# Altium PCB mainboard.PcbDoc (part 3 of 7)
Units mm, origin at the board's own origin, x right, y up, seen from the top; angles counter-clockwise.
Board outline 298.75 x 332.5 mm, 4 copper layers (Top, Ground, Power, Bottom), stack 0.844 mm thick; 349 components, 403 nets, 3466 pads, 640 vias.
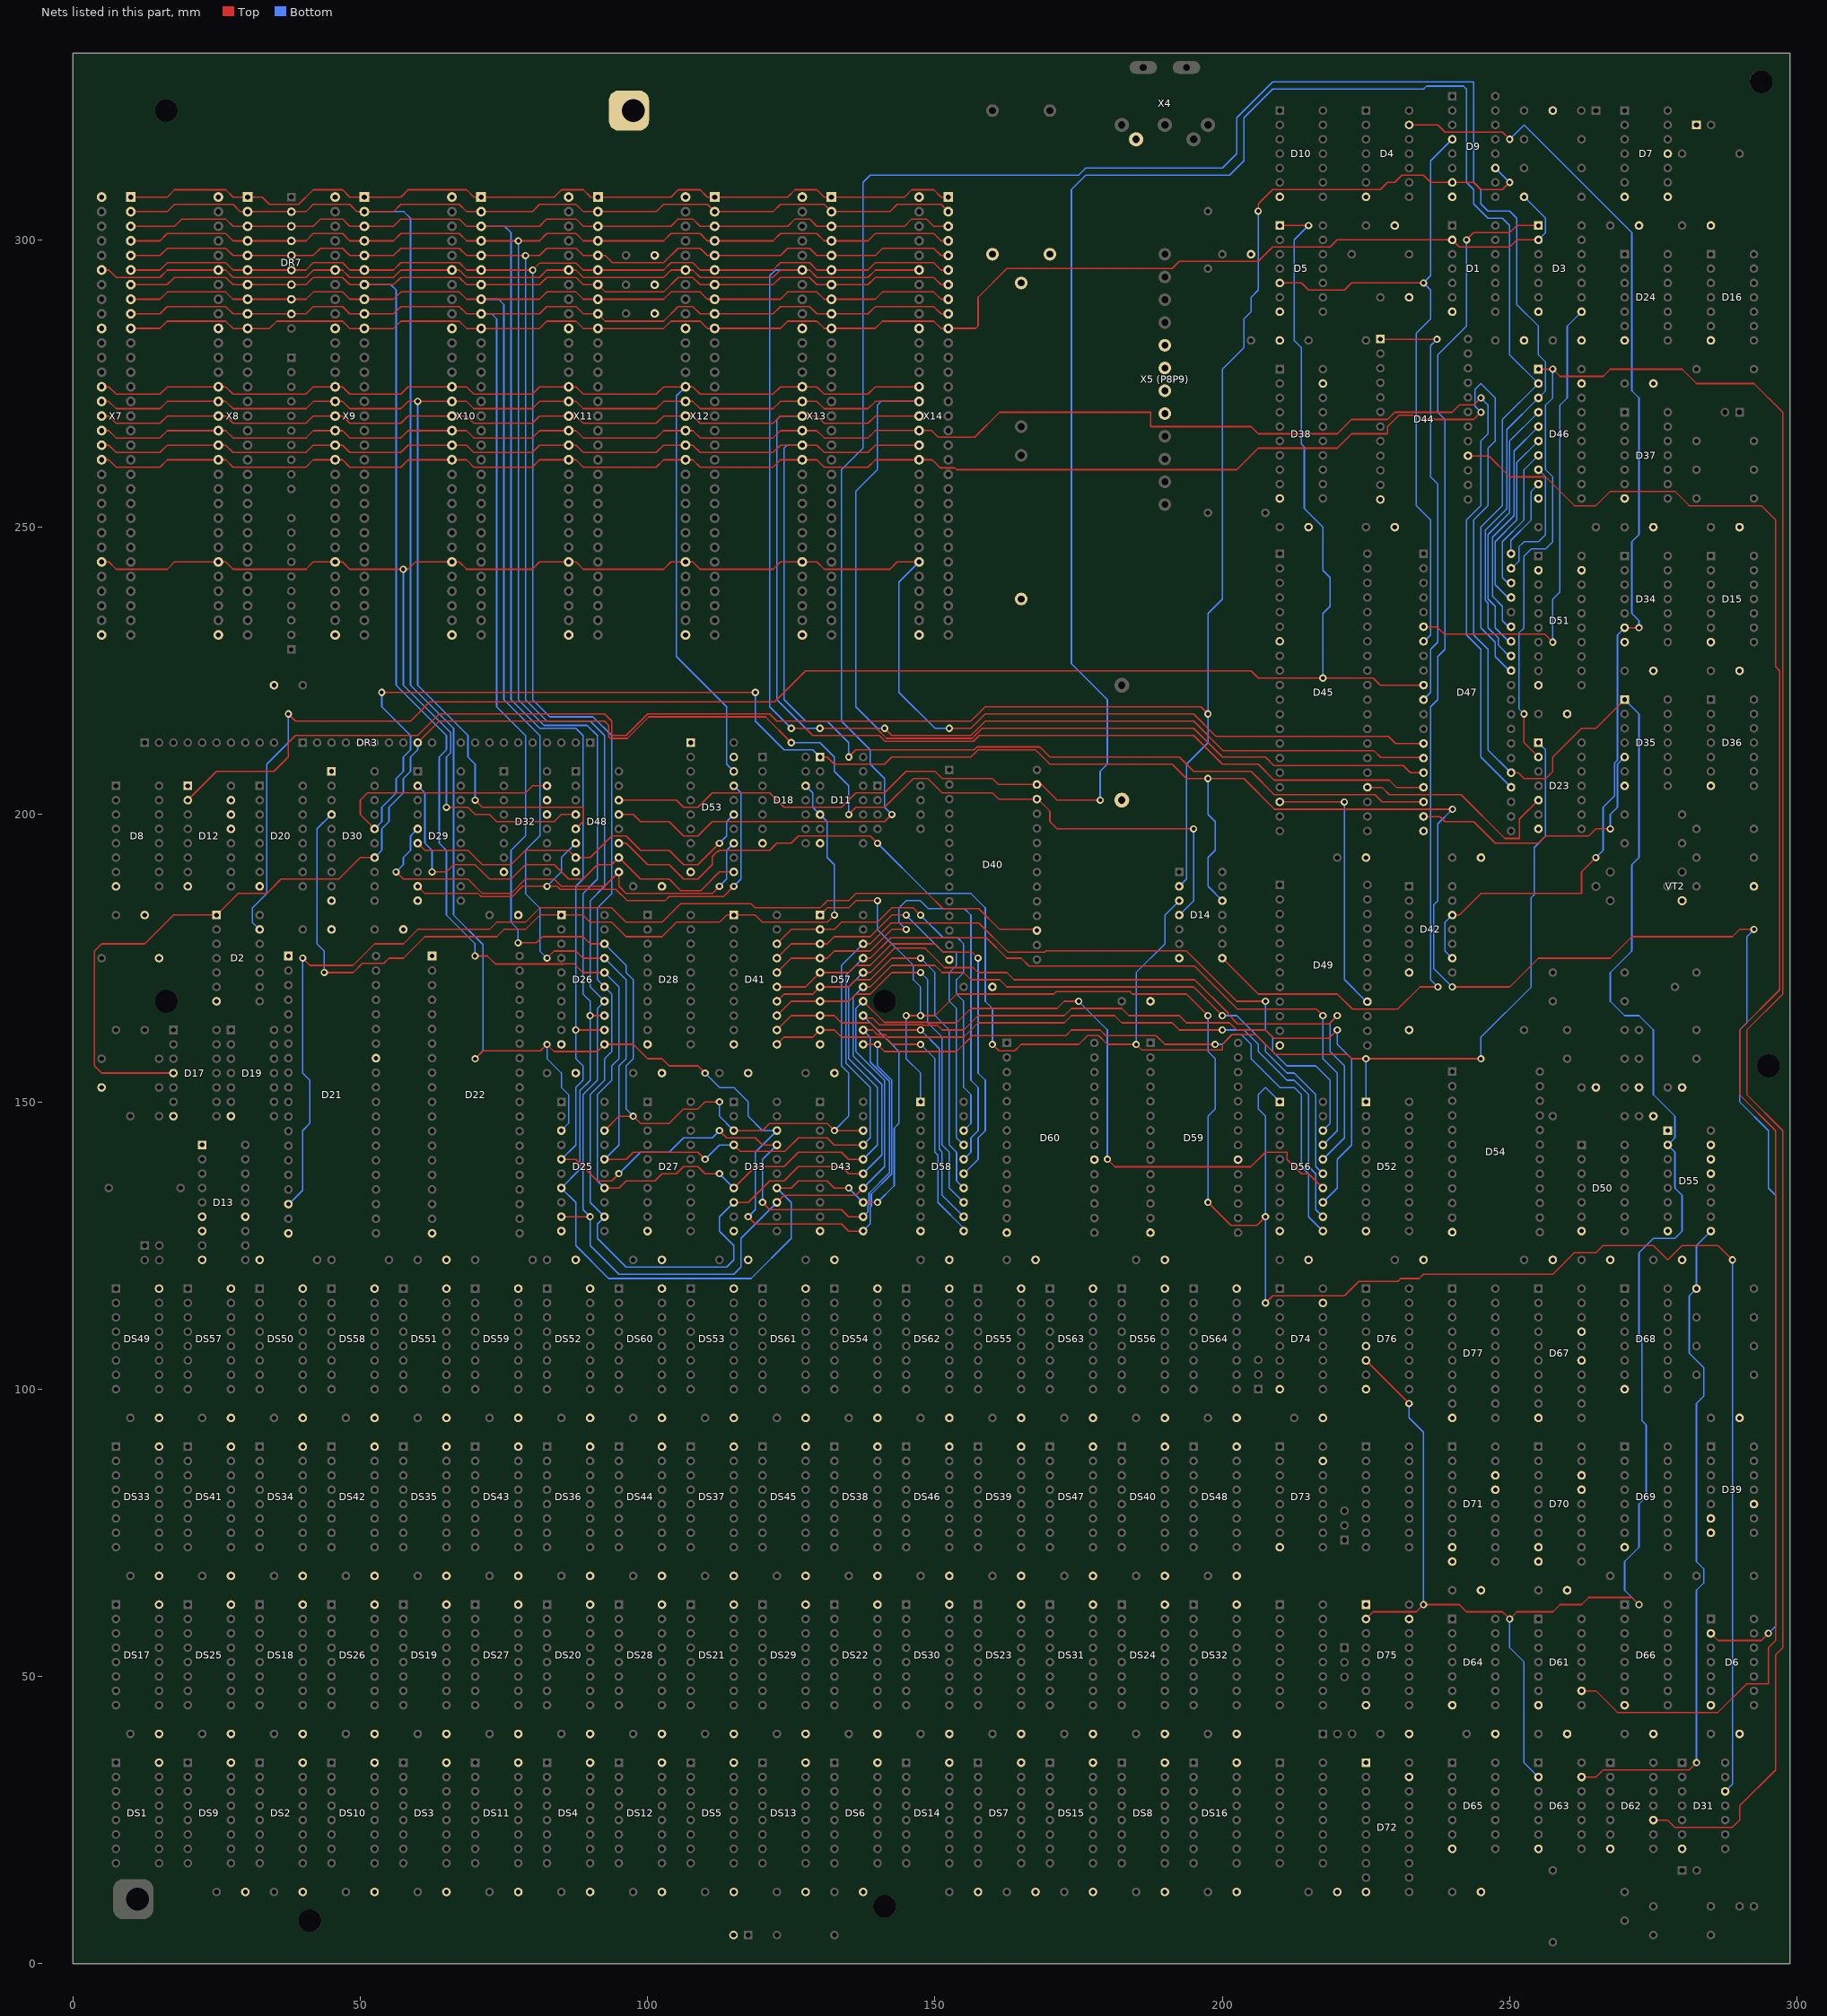
[diagram p5: the nets of this part, all layers, seen from the top]

## Via types
v1: diameter 1.27, hole 0.711, Top to Bottom, tented both sides, 640 vias

## Nets (pads, with @x,y where several pads share a name; then routed paths per layer and width w, separated by ;. In a path a pad name is that pad's centre, name@x,y a point inside that pad or via, vN(x,y) a via of type N, cw(c..) or ccw(c..) an arc to the next point about the centre after c; other vN are vias at no path point) (continued)
D0: D25.18 D26.18 D33.3 D43.18 D56.18 D57.18 DR7.9 X7.9 X8.9 X9.9 X10.9 X11.9 X12.9 X13.9 X14.9 | length 511.3
  Top w0.254: X7.9@10.078,287.13 15.151,287.13 16.416,288.395 26.585,288.395 27.855,287.125 40.555,287.125 41.825,288.395 46.905,288.395 48.175,287.125 55.795,287.125 57.065,288.395 67.225,288.395 68.495,287.125 81.195,287.125 82.465,288.395 87.545,288.395 88.815,287.125 91.355,287.125 92.625,285.855 102.785,285.855 105.325,288.395 107.865,288.395 109.131,287.13 X12.9@111.678,287.13 121.84,287.13 123.105,288.395 128.185,288.395 129.455,287.125 138.345,287.125 139.615,288.395 149.775,288.395 151.045,287.125 X14.9@152.313,287.125 ; v1(77.47,177.673) 80.645,177.673 81.722,178.75 88.75,178.75 90,177.5 D26.18@92.498,177.5 ; D25.18@92.498,145 94.998,147.5 v1(97.498,147.5) 98.748,146.25 103.748,146.25 106.248,148.75 108.748,148.75 109.998,150 v1(112.498,150) ; D33.3@114.998,145 119.998,145 121.248,146.25 131.248,146.25 v1(132.498,145) D43.18@137.498,145 ; D57.18@137.498,177.5 138.748,177.5 142.35,181.102 157.646,181.102 162.726,176.022 169.037,176.022 169.291,176.276 193.722,176.276 202.498,167.5 v1(207.498,167.5)
  Bottom w0.254: X10.9@71.038,287.13 72.868,287.13 73.748,286.25 73.748,218.75 78.748,213.75 78.748,196.25 76.248,193.75 76.248,181.25 77.498,180 77.47,179.972 v1(77.47,177.673) ; D26.18@92.498,177.5 96.248,173.75 96.248,172.5 97.498,171.25 97.498,157.5 96.248,156.25 96.248,148.75 v1(97.498,147.5) ; v1(112.498,150) 112.498,147.5 D33.3@114.998,145 ; v1(132.498,145) 134.998,147.5 134.998,155 133.748,156.25 133.748,173.75 D57.18@137.498,177.5 ; v1(207.498,167.5) 207.498,162.5 208.748,161.25 208.748,158.75 211.248,156.25 216.248,156.25 218.748,153.75 218.748,146.25 D56.18@217.498,145
D1: D25.16 D26.17 D33.4 D43.17 D56.17 D57.17 DR7.8 X7.8 X8.8 X9.8 X10.8 X11.8 X12.8 X13.8 X14.8 | length 518.7
  Top w0.254: X7.8@10.078,289.67 15.16,289.67 16.425,290.935 26.585,290.935 27.851,289.67 X8.8@30.398,289.67 38.015,289.67 38.02,289.665 40.555,289.665 41.825,290.935 46.905,290.935 48.175,289.665 55.795,289.665 57.065,290.935 67.225,290.935 68.495,289.665 81.195,289.665 82.465,290.935 87.545,290.935 88.815,289.665 102.785,289.665 104.055,290.935 109.135,290.935 110.405,289.665 123.105,289.665 124.375,290.935 129.455,290.935 130.725,289.665 139.615,289.665 140.885,290.935 149.775,290.935 151.045,289.665 X14.8@152.313,289.665 ; v1(82.498,175) 83.748,176.25 87.498,176.25 88.748,175 D26.17@92.498,175 ; D25.16@92.498,140 96.248,140 97.498,141.25 108.748,141.25 v1(109.998,140) ; D33.4@114.998,142.5 116.129,141.369 123.867,141.369 126.248,143.75 131.248,143.75 132.498,142.5 D43.17@137.498,142.5 ; D57.17@137.498,175 138.748,175 142.31,178.562 158.936,178.562 162.498,175 164.998,175 166.389,173.609 195.139,173.609 202.632,166.116 216.382,166.116 v1(217.498,165)
  Bottom w0.254: X10.8@71.038,289.67 74.078,289.67 74.998,288.75 74.998,220 81.248,213.75 81.248,196.25 78.748,193.75 78.748,186.25 81.248,183.75 81.248,176.25 v1(82.498,175) ; D25.16@92.498,140 95,142.502 95,156.25 96.25,157.5 96.25,171.25 D26.17@92.5,175 ; v1(109.998,140) 112.498,142.5 D33.4@114.998,142.5 ; D43.17@137.498,142.5 138.748,143.75 138.748,152.5 134.49,156.758 134.49,171.992 D57.17@137.498,175 ; D56.17@217.498,142.5 219.998,145 219.998,155 217.498,157.5 v1(217.498,165)
D2: D25.14 D26.16 D33.7 D43.16 D56.16 D57.16 DR7.7 X7.7 X8.7 X9.7 X10.7 X11.7 X12.7 X13.7 X14.7 | length 549.9
  Top w0.254: X7.7@10.078,292.21 16.421,292.21 17.686,293.475 26.585,293.475 27.855,292.205 40.555,292.205 41.825,293.475 46.905,293.475 48.175,292.205 55.795,292.205 57.065,293.475 67.225,293.475 68.495,292.205 81.195,292.205 82.465,293.475 87.545,293.475 88.815,292.205 91.353,292.205 X11.7@91.358,292.21 92.633,290.935 102.785,290.935 105.325,293.475 107.865,293.475 109.135,292.205 121.835,292.205 123.105,293.475 128.185,293.475 129.455,292.205 138.345,292.205 139.615,293.475 149.775,293.475 151.045,292.205 X14.7@152.313,292.205 ; v1(69.977,175.387) 72.113,175.387 73.529,173.971 85.424,173.971 85.444,173.99 87.26,173.99 88.75,172.5 D26.16@92.498,172.5 ; D25.14@92.498,135 95,135 96.25,136.25 101.25,136.25 102.5,137.5 105,137.5 106.25,138.75 108.75,138.75 110,137.5 v1(112.5,137.5) ; D33.7@114.998,135 118.748,138.75 123.748,138.75 126.248,141.25 133.748,141.25 134.998,140 D43.16@137.498,140 ; D57.16@137.498,172.5 138.748,172.5 142.498,176.25 142.5,176.25 143.008,176.758 148.242,176.758 148.748,176.252 148.748,176.25 151.643,173.355 156.643,173.355 157.498,172.5 162.498,172.5 163.748,171.25 195.185,171.25 201.014,165.421 201.014,165.234 202.672,163.576 218.574,163.576 v1(219.998,165)
  Bottom w0.254: X9.7@50.718,292.21 55.288,292.21 56.248,291.25 56.248,222.5 64.998,213.75 64.998,211.25 63.748,210 63.748,195 64.998,193.75 64.998,182.5 69.998,177.5 69.977,177.479 v1(69.977,175.387) ; D25.14@92.498,135 91.248,136.25 91.248,151.25 93.748,153.75 93.748,156.25 94.998,157.5 94.998,170 D26.16@92.498,172.5 ; v1(112.5,137.5) D33.7@114.998,135.002 ; D43.16@137.498,140 139.998,142.5 139.998,152.5 134.998,157.5 134.998,170 D57.16@137.498,172.5 ; D56.16@217.498,140 221.248,143.75 221.248,156.25 218.748,158.75 218.748,163.75 v1(219.998,165)
D3: D25.12 D26.15 D33.8 D43.15 D56.15 D57.15 DR7.6 X7.6 X8.6 X9.6 X10.6 X11.6 X12.6 X13.6 X14.6 | length 538.9
  Top w0.254: X7.6@10.078,294.75 15.16,294.75 16.425,296.015 26.585,296.015 27.855,294.745 40.555,294.745 41.825,296.015 46.905,296.015 48.175,294.745 X9.6@50.713,294.745 ; X9.6@50.718,294.75 55.791,294.75 57.056,296.015 67.225,296.015 68.495,294.745 v1(79.998,294.746) ; v1(79.998,294.746) 81.233,295.981 87.511,295.981 88.747,294.745 102.785,294.745 104.055,296.015 107.865,296.015 109.135,294.745 121.835,294.745 123.105,296.015 128.185,296.015 129.455,294.745 138.345,294.745 139.615,296.015 149.775,296.015 151.045,294.745 X14.6@152.313,294.745 ; D33.8@114.998,132.5 117.498,132.5 121.248,136.25 123.748,136.25 126.248,138.75 133.748,138.75 134.998,137.5 D43.15@137.498,137.5 ; D57.15@137.498,170 138.75,170 142.5,173.75 150,173.75 151.25,172.5 155,172.5 156.25,171.25 161.248,171.25 162.498,170 194.998,170 v1(199.998,165)
  Bottom w0.254: v1@79.998,295 v1(79.998,294.746) 79.998,220 83.006,216.992 90.506,216.992 93.748,213.75 93.748,186.25 91.248,183.75 91.248,171.25 D26.15@92.498,170 93.748,168.75 93.748,158.75 92.498,157.5 92.498,153.75 89.998,151.25 89.998,132.5 D25.12@92.498,130 91.248,128.75 91.248,126.25 96.248,121.25 113.748,121.25 114.998,122.5 114.998,125 112.498,127.5 112.498,130 D33.8@114.998,132.5 ; D43.15@137.498,137.5 140.74,140.742 140.74,153.008 135.74,158.008 135.74,168.242 D57.15@137.498,170 ; v1(199.998,165) 202.498,165 207.498,160 207.498,158.75 211.248,155 212.498,155 216.248,151.25 216.248,138.75 D56.15@217.498,137.5
D4: D25.9 D26.14 D33.13 D43.14 D56.14 D57.14 DR7.5 X7.5 X8.5 X9.5 X10.5 X11.5 X12.5 X13.5 X14.5 | length 550.3
  Top w0.254: X7.5@10.078,297.29 15.16,297.29 16.425,298.555 26.585,298.555 27.855,297.285 41.825,297.285 43.095,298.555 46.905,298.555 48.175,297.285 55.795,297.285 57.065,298.555 67.225,298.555 68.495,297.285 81.195,297.285 82.465,298.555 87.545,298.555 88.815,297.285 92.625,297.285 93.895,296.015 102.785,296.015 105.325,298.555 109.135,298.555 110.405,297.285 123.105,297.285 124.375,298.555 128.185,298.555 129.455,297.285 139.615,297.285 140.885,298.555 149.775,298.555 151.045,297.285 X14.5@152.313,297.285 ; D25.9@84.998,130 v1(89.998,130) ; D33.13@122.498,132.5 123.748,133.75 136.248,133.75 D43.14@137.498,135 ; D57.14@137.498,167.5 D57.14@137.498,167.5 141.179,163.821 148.679,163.821 148.75,163.75 153.748,163.75 156.248,166.25 171.248,166.25 172.498,167.5 v1(174.998,167.5) ; v1(179.998,140) 181.314,138.684 204.934,138.684 207.5,141.25 211.25,141.25 211.25,140 213.75,137.5 214.998,137.5 D56.14@217.498,135
  Bottom w0.254: v1@78.748,297.5 v1(78.748,297.271) 78.75,297.269 78.75,219.998 82.498,216.25 89.998,216.25 92.498,213.75 92.498,187.5 89.998,185 89.998,170 D26.14@92.498,167.5 91.248,166.25 91.248,153.75 88.748,151.25 88.748,131.25 v1(89.998,130) 89.998,125 94.998,120 114.998,120 116.248,121.25 116.248,126.25 D33.13@122.498,132.5 ; D43.14@137.498,135 141.248,138.75 141.248,153.75 136.248,158.75 136.248,166.25 D57.14@137.498,167.5 ; v1(174.998,167.5) 179.998,162.5 v1(179.998,140)
D5: D25.7 D26.13 D33.14 D43.13 D56.13 D57.13 DR7.4 X7.4 X8.4 X9.4 X10.4 X11.4 X12.4 X13.4 X14.4 | length 571.6
  Top w0.254: X7.4@10.078,299.83 15.151,299.83 16.416,301.095 26.585,301.095 27.855,299.825 40.555,299.825 41.825,301.095 46.905,301.095 48.175,299.825 X9.4@50.713,299.825 ; X9.4@50.718,299.83 55.8,299.83 57.065,301.095 67.225,301.095 68.495,299.825 X10.4@71.033,299.825 ; X10.4@71.038,299.83 77.49,299.83 77.495,299.825 81.195,299.825 82.465,301.095 87.545,301.095 88.815,299.825 102.785,299.825 104.055,301.095 109.135,301.095 110.405,299.825 121.835,299.825 123.105,301.095 129.455,301.095 130.725,299.825 138.345,299.825 139.615,301.095 149.775,301.095 151.045,299.825 X14.4@152.313,299.825 ; v1(89.998,165) D26.13@92.498,165 ; D33.14@122.498,135 124.998,135 126.248,136.25 131.248,136.25 132.498,135 v1(134.998,135) ; D43.13@137.498,132.5 v1(140,132.5) ; D57.13@137.498,165 D57.13@137.498,165 137.906,164.594 139.156,164.594 140.336,163.414 147.879,163.414 147.95,163.344 150.404,163.344 151.248,162.5 154.998,162.5 157.498,165 172.498,165 173.748,166.25 182.498,166.25 183.748,165 192.5,165 193.75,163.75 201.248,163.75 202.498,162.5 207.498,162.5 208.962,161.036 218.534,161.036 v1(219.998,162.5)
  Bottom w0.254: v1(77.498,299.822) v1@77.498,300 ; v1@77.5,299.82 77.5,219.998 81.99,215.508 89.49,215.508 91.248,213.75 91.248,188.75 88.748,186.25 88.748,168.75 89.998,167.5 v1(89.998,165) 89.998,153.726 88.24,151.968 88.24,138.242 D25.7@84.998,135 87.498,132.5 87.498,125 93.24,119.258 118.006,119.258 124.998,126.25 124.998,132.5 D33.14@122.498,135 ; v1(134.998,135) D43.13@137.498,132.5 ; D57.13@137.498,165 141.584,160.914 141.627,160.914 142.162,160.379 142.162,160.338 143.75,158.75 143.75,146.25 142.906,145.406 142.906,135.406 v1(140,132.5) ; D56.13@217.498,132.5 219.998,135 219.998,140 222.498,142.5 222.498,157.5 219.998,160 v1(219.998,162.5)
D6: D25.5 D26.12 D33.17 D43.12 D56.12 D57.12 DR7.3 X7.3 X8.3 X9.3 X10.3 X11.3 X12.3 X13.3 X14.3 | length 550.8
  Top w0.254: X7.3@10.078,302.37 17.7,302.37 18.965,303.635 26.585,303.635 27.855,302.365 41.825,302.365 43.095,303.635 46.905,303.635 48.175,302.365 55.795,302.365 57.065,303.635 67.225,303.635 68.495,302.365 81.195,302.365 82.465,303.635 87.545,303.635 88.815,302.365 104.055,302.365 105.325,303.635 107.865,303.635 109.135,302.365 124.375,302.365 125.645,303.635 128.185,303.635 129.455,302.365 144.695,302.365 145.965,303.635 148.505,303.635 149.775,302.365 X14.3@152.313,302.365 ; D25.5@84.998,140 87.5,140 91.25,136.25 93.75,136.25 v1(95,137.5) ; v1(87.498,162.5) D26.12@92.498,162.5 ; v1(112.5,145) 113.75,143.75 118.75,143.75 120,142.5 D33.17@122.498,142.5 ; v1(120,132.5) 121.25,131.25 133.75,131.25 135,130 D43.12@137.498,130 ; D57.12@137.498,162.5 139.156,162.5 140,161.656 141.418,161.656 141.825,161.25 154.998,161.25 157.498,163.75 172.498,163.75 173.748,165 181.248,165 182.498,163.75 191.25,163.75 192.5,162.5 v1(199.998,162.5)
  Bottom w0.254: X10.3@71.038,302.37 75.128,302.37 76.248,301.25 76.248,220 81.248,215 87.498,215 88.748,213.75 88.748,188.75 87.498,187.5 v1(87.498,162.5) 87.498,157.5 88.748,156.25 88.748,153.75 87.498,152.5 87.498,142.5 D25.5@84.998,140 ; v1(95,137.5) 98.75,141.25 103.75,141.25 106.25,143.75 111.25,143.75 v1(112.5,145) ; v1(120,132.5) 120,140 122.498,142.498 D33.17@122.498,142.5 ; D43.12@137.498,130 D43.12@137.498,130 138.344,130.844 138.344,131.89 138.527,132.074 138.527,134.102 142.094,137.668 142.094,153.582 138.75,156.925 138.75,161.25 D57.12@137.498,162.5 ; v1(199.998,162.5) 203.748,162.5 206.248,160 206.248,158.75 211.248,153.75 212.498,153.75 214.998,151.25 214.998,138.75 216.248,137.5 216.248,131.25 D56.12@217.498,130
D7: D25.3 D26.11 D33.18 D43.11 D56.11 D57.11 DR7.2 X7.2 X8.2 X9.2 X10.2 X11.2 X12.2 X13.2 X14.2 | length 574.3
  Top w0.254: X7.2@10.078,304.91 16.421,304.91 17.686,306.175 27.855,306.175 29.125,304.905 40.555,304.905 41.825,306.175 48.175,306.175 49.445,304.905 55.795,304.905 57.065,306.175 67.225,306.175 68.495,304.905 79.925,304.905 81.195,306.175 87.545,306.175 88.815,304.905 101.515,304.905 102.785,306.175 110.413,306.175 X12.2@111.678,304.91 121.84,304.91 123.105,306.175 130.725,306.175 131.991,304.91 X13.2@131.998,304.91 142.151,304.91 143.416,306.175 151.053,306.175 X14.2@152.318,304.91 ; v1(69.998,157.5) 71.375,158.877 81.375,158.877 v1(82.498,160) 83.748,158.75 91.248,158.75 D26.11@92.498,160 97.498,160 99.998,157.5 102.498,157.5 103.748,156.25 108.748,156.25 v1(109.998,155) ; v1(117.5,130) 118.75,128.75 133.75,128.75 135,127.5 D43.11@137.498,127.5 ; D57.11@137.498,160 v1(140,160) 141.25,158.75 153.748,158.75 156.542,161.544 172.792,161.544 173.748,162.5 178.748,162.5 179.704,161.544 188.454,161.544 189.998,160 v1(198.748,160)
  Bottom w0.254: X9.2@50.718,304.91 57.588,304.91 58.748,303.75 58.748,222.5 66.248,215 66.248,182.5 71.374,177.374 71.374,158.876 v1(69.998,157.5) ; v1(82.498,160) 82.498,157.5 84.998,155 84.998,152.5 86.248,151.25 86.248,146.25 D25.3@84.998,145 ; v1(109.998,155) 112.498,152.5 114.998,152.5 117.498,150 117.498,147.5 119.998,145 D33.18@122.498,145 122.498,144.998 118.75,141.25 118.75,131.25 v1(117.5,130) ; D43.11@137.498,127.524 138.75,128.776 138.75,131.721 138.934,131.905 138.934,133.934 142.5,137.5 142.5,153.75 140,156.25 v1(140,160) ; v1(198.748,160) 199.998,160 201.669,161.671 203.327,161.671 204.998,160 204.998,157.5 209.998,152.5 212.498,152.5 213.748,151.25 213.748,138.75 214.998,137.5 214.998,130 D56.11@217.498,127.5
D8: D41.18 D57.2 D58.18 | length 72.2
  Top w0.254: D41.18@122.498,177.5 124.998,180 D57.2@129.998,180 132.5,180 133.75,181.25 140,181.25 142.5,183.75 146.248,183.75 v1(147.498,182.5)
  Bottom w0.254: v1(147.498,182.5) 151.436,178.562 153.936,178.562 154.998,177.5 154.998,172.5 153.748,171.25 153.748,168.75 154.998,167.5 154.998,152.5 156.248,151.25 156.248,146.25 D58.18@154.998,145
D9: D41.17 D57.3 D58.17 | length 72.1
  Top w0.254: D41.17@122.498,175 124.998,177.5 D57.3@129.998,177.5 131.248,177.5 132.498,178.75 138.748,178.75 142.498,182.5 v1(144.998,182.5)
  Bottom w0.254: v1(144.998,182.5) 151.476,176.022 153.748,176.022 153.748,173.75 152.498,172.5 152.498,167.5 153.748,166.25 153.748,143.75 D58.17@154.998,142.5
D10: D41.16 D57.4 D58.16 | length 88
  Top w0.254: D41.16@122.498,172.5 124.998,175 D57.4@129.998,175 131.248,175 132.498,176.25 138.748,176.25 142.498,180 v1(144.998,180)
  Bottom w0.254: v1(144.998,180) 143.748,181.25 143.748,183.75 144.998,185 147.498,185 148.856,183.642 155.106,183.642 156.248,182.5 156.248,153.75 157.498,152.5 157.498,145 156.248,143.75 156.248,141.25 D58.16@154.998,140
D11: D41.15 D57.5 D58.15 | length 78.7
  Top w0.254: D41.15@122.498,170 127.498,170 D57.5@129.998,172.5 134.998,172.5 136.248,173.75 138.748,173.75 142.498,177.5 149.998,177.5 151.476,176.022 156.476,176.022 v1(157.498,175)
  Bottom w0.254: D58.15@154.998,137.5 157.498,140 157.498,143.75 158.748,145 158.748,153.75 157.498,155 v1(157.498,175)
D12: D41.14 D57.6 D58.14 | length 71.2
  Top w0.254: D41.14@122.498,167.5 123.748,168.75 128.748,168.75 D57.6@129.998,170 135,170 136.25,171.25 138.75,171.25 142.5,175 v1(147.5,175)
  Bottom w0.254: v1(147.5,175) 150,172.5 150,165 152.5,162.5 152.5,142.5 153.75,141.25 153.75,136.25 154.998,135.002 D58.14@154.998,135
D13: D41.13 D57.7 D58.13 | length 71.2
  Top w0.254: D41.13@122.498,165 124.998,167.5 D57.7@129.998,167.5 135,167.5 136.25,168.75 138.75,168.75 142.5,172.5 v1(147.5,172.5)
  Bottom w0.254: v1(147.5,172.5) 148.75,171.25 148.75,163.75 151.25,161.25 151.25,142.5 152.5,141.25 152.5,134.998 D58.13@154.998,132.5
D14: D41.12 D57.8 D58.12 | length 62.7
  Top w0.254: D41.12@122.498,162.5 124.998,165 D57.8@129.998,165 132.5,165 133.75,163.75 138.75,163.75 140,162.5 v1(147.5,162.5)
  Bottom w0.254: v1(147.5,162.5) 150.742,159.258 150.742,141.758 151.25,141.25 151.25,133.748 D58.12@154.998,130
D15: D41.11 D57.9 D58.11 | length 62.7
  Top w0.254: D41.11@122.498,160 123.748,161.25 128.748,161.25 D57.9@129.998,162.5 132.5,162.5 133.75,161.25 141.25,161.25 142.5,160 v1(147.5,160)
  Bottom w0.254: v1(147.5,160) 150,157.5 150,141.222 150.506,140.716 150.506,132.5 154.998,128.008 D58.11@154.998,127.5
DACK0/: D35.1 D47.25 D55.2 D63.2 D75.2 D76.6 X7.50 X8.50 X9.50 X10.50 X11.50 X12.50 X13.50 X14.50 | length 664.4
  Top w0.254: X7.50@4.998,261.73 6.261,261.73 7.535,260.455 15.155,260.455 16.425,261.725 26.585,261.725 27.855,260.455 40.555,260.455 41.825,261.725 46.905,261.725 48.175,260.455 57.065,260.455 58.335,261.725 68.495,261.725 69.765,260.455 79.925,260.455 81.195,261.725 87.545,261.725 88.815,260.455 101.515,260.455 102.785,261.725 107.865,261.725 109.135,260.455 121.835,260.455 123.105,261.725 129.455,261.725 130.725,260.455 138.345,260.455 139.62,261.73 X14.50@147.238,261.73 147.243,261.725 149.525,261.725 ; 149.52,261.73 149.525,261.725 ; D75.2@224.998,60 226.248,61.25 233.748,61.25 v1(234.998,62.5) 241.25,62.5 242.5,61.25 248.75,61.25 v1(250,60) 251.25,61.25 257.5,61.25 258.75,62.5 262.5,62.5 263.75,63.75 271.25,63.75 v1(272.5,62.5) ; D76.6@224.998,105 v1(232.498,97.5) ; v1(244.998,270) 243.748,268.75 234.998,268.75 234.256,269.492 230.74,269.492 228.748,267.5 228.748,266.25 222.498,266.25 219.998,263.75 206.248,263.75 202.498,260 153.75,260 153.431,260.319 150.931,260.319 149.525,261.725 ; D47.25@249.998,207.5 250.234,207.264 251.484,207.264 252.498,206.25 256.248,206.25 257.498,207.5 257.498,210 262.498,215 264.998,215 D35.1@269.998,220
  Bottom w0.254: v1(232.498,97.5) 232.498,95 234.998,92.5 v1(234.998,62.5) ; v1(244.998,270) 243.967,271.031 243.967,273.969 244.998,275 247.498,272.5 247.498,265 246.248,263.75 246.248,253.75 243.748,251.25 243.748,231.25 246.248,228.75 246.248,211.206 249.954,207.5 D47.25@249.998,207.5 ; v1(250,60) 250,55 252.5,52.5 252.5,35 254.998,32.502 D63.2@254.998,32.5 ; D35.1@269.998,220 272.498,217.5 272.498,192.5 271.248,191.25 271.248,176.25 267.498,172.5 267.498,167.5 269.998,165 272.498,165 274.998,162.5 274.998,151.25 278.748,147.5 278.748,143.75 D55.2@277.498,142.5 D55.2@277.498,142.5 278.75,141.25 278.75,135 280,133.75 280,127.5 278.75,126.25 275,126.25 272.5,123.75 272.5,108.75 273.006,108.244 273.006,94.494 273.75,93.75 273.75,81.25 272.5,80 272.5,72.5 270,70 270,65 v1(272.5,62.5)
DACK1/: D47.24 X7.48 X8.48 X9.48 X10.48 X11.48 X12.48 X13.48 X14.48 | length 327.9
  Top w0.254: X7.48@4.998,266.81 5.003,266.805 6.265,266.805 7.535,265.535 15.155,265.535 16.425,266.805 26.585,266.805 27.855,265.535 40.555,265.535 41.825,266.805 46.905,266.805 48.175,265.535 57.065,265.535 58.335,266.805 68.495,266.805 69.765,265.535 79.925,265.535 81.195,266.805 87.545,266.805 88.815,265.535 101.515,265.535 102.785,266.805 107.865,266.805 109.135,265.535 121.835,265.535 123.105,266.805 129.455,266.805 130.725,265.535 138.345,265.535 139.62,266.81 X14.48@147.238,266.81 149.44,266.81 150.569,265.681 156.931,265.681 161.25,270 187.498,270 187.498,267.5 204.998,267.5 206.248,266.25 219.998,266.25 222.498,268.75 228.748,268.75 229.998,270 239.998,270 241.27,271.272 243.77,271.272 v1(244.998,272.5)
  Bottom w0.254: v1(244.998,272.5) 246.248,271.25 246.248,266.25 244.998,265 244.998,253.75 242.498,251.25 242.498,231.25 244.998,228.75 244.998,210 D47.24@249.998,205
DACK2/: D47.14 D48.4 X7.57 X8.57 X9.57 X10.57 X11.57 X12.57 X13.57 X14.57 | length 339.9
  Top w0.254: X7.57@4.998,243.95 6.261,243.95 7.535,242.675 16.425,242.675 17.695,243.945 26.585,243.945 27.855,242.675 40.555,242.675 41.825,243.945 46.905,243.945 48.175,242.675 58.335,242.675 59.605,243.945 67.225,243.945 68.495,242.675 79.925,242.675 81.195,243.945 87.545,243.945 88.815,242.675 102.785,242.675 104.055,243.945 107.865,243.945 109.135,242.675 121.835,242.675 123.105,243.945 129.455,243.945 130.725,242.675 142.155,242.675 143.43,243.95 X14.57@147.238,243.95 ; v1(64.998,201.25) 68.748,201.25 69.998,200 72.498,200 73.748,198.75 83.748,198.75 84.998,200 D48.4@87.498,200 ; v1(152.498,215) 156.248,215 158.748,217.5 194.998,217.5 198.884,213.614 228.886,213.614 230.156,212.344 234.842,212.344 D47.14@234.998,212.5
  Bottom w0.254: v1@57.498,242.5 57.498,222.5 65.74,214.258 65.74,210.742 64.998,210 v1(64.998,201.25) ; X14.57@147.238,243.95 143.75,240.462 143.75,221.248 149.998,215 v1(152.498,215)
  other v1: 57.498,242.678
DACK3/: D47.15 D48.5 X7.46 X8.46 X9.46 X10.46 X11.46 X12.46 X13.46 X14.46 | length 412.7
  Top w0.254: X7.46@4.998,271.89 5.003,271.885 6.265,271.885 7.535,270.615 15.155,270.615 16.425,271.885 26.585,271.885 27.855,270.615 40.555,270.615 41.825,271.885 46.905,271.885 48.175,270.615 57.065,270.615 58.335,271.885 68.495,271.885 69.765,270.615 79.925,270.615 81.195,271.885 87.545,271.885 88.815,270.615 101.515,270.615 102.785,271.885 107.865,271.885 109.135,270.615 121.835,270.615 123.105,271.885 129.455,271.885 130.725,270.615 138.345,270.615 139.615,271.885 X14.46@147.233,271.885 ; v1(69.998,202.5) 71.248,201.25 88.75,201.25 88.75,198.75 D48.5@87.498,197.5 ; v1(141.248,215) 142.498,213.75 156.248,213.75 158.748,216.25 194.998,216.25 200.174,211.074 226.426,211.074 227.569,209.931 234.929,209.931 D47.15@234.998,210
  Bottom w0.254: v1@59.998,271.829 59.998,222.5 68.748,213.75 68.748,210 69.998,208.75 v1(69.998,202.5) ; v1(141.248,215) 139.998,215 136.248,218.75 136.248,256.25 139.998,260 139.998,271.25 140.638,271.89 X14.46@147.238,271.89
  other v1: 59.998,271.885
DEN: D6.2 D11.1 D14.12 D30.16 D32.15 | length 518.9
  Top w0.254: D30.16@52.498,197.5 50,199.998 50,202.5 51.25,203.75 78.75,203.75 80,205 D32.15@82.498,205 ; v1(53.75,221.25) v1(118.75,221.25) ; D11.1@129.998,210 131.25,210 132.5,208.75 141.25,208.75 142.5,210 156.25,210 157.5,211.25 167.5,211.25 170,208.75 191.25,208.75 193.75,206.25 v1(197.498,206.25) 203.75,206.25 209.086,200.914 v1(240.03,200.914) ; v1(240,170) 250,170 255,175 267.5,175 271.25,178.75 288.75,178.75 290,180 v1(292.5,180) ; D6.2@284.998,57.5 286.248,56.25 293.75,56.25 v1(295,57.5)
  Bottom w0.254: D30.16@52.498,197.5 52.5,197.5 53.75,198.75 53.75,201.25 56.25,203.75 56.25,206.25 57.5,207.5 57.5,210 58.75,211.25 58.75,213.75 53.75,218.75 v1(53.75,221.25) ; v1(118.75,221.25) 118.75,216.25 123.75,211.25 128.75,211.25 129.998,210.002 D11.1@129.998,210 ; v1(197.498,206.25) 197.498,200 198.748,198.75 198.748,193.75 197.498,192.5 197.498,187.5 D14.12@199.998,185 ; v1(240,170) 236.758,173.242 236.758,184.258 237.5,185 237.5,198.384 v1(240.03,200.914) ; v1(292.5,180) 291.25,178.75 291.25,163.75 290,162.5 290,150 295,145 295,135 296.25,133.75 296.25,58.75 v1(295,57.5)
DIR: D31.12 D56.1 D57.1 D58.1 | length 375.5
  Top w0.254: D57.1@129.998,182.5 130,182.5 131.25,183.75 135,183.75 136.25,185 v1(140,185) ; v1(145,165) v1(147.5,165) 150,165 153.75,168.75 170.675,168.75 171.082,169.156 183.918,169.156 184.325,168.75 193.75,168.75 v1(197.5,165) ; v1(197.5,132.5) 201.476,128.524 206.024,128.524 v1(207.5,130) ; v1(207.498,115) 208.748,116.25 221.248,116.25 223.748,118.75 230.53,118.75 231.038,119.258 234.256,119.258 234.998,120 257.498,120 261.248,123.75 264.998,123.75 266.248,125 274.998,125 277.498,122.5 279.998,125 286.248,125 v1(288.748,122.5)
  Bottom w0.254: v1(140,185) 140,180 146.25,173.75 146.25,171.25 147.5,170 v1(147.5,165) ; v1(145,165) 145,157.5 147.5,155 D58.1@147.5,150.002 ; v1(197.5,132.5) 197.5,147.5 198.75,148.75 198.75,157.5 197.5,158.75 v1(197.5,165) ; v1(207.498,115) 207.498,147.502 206.25,148.75 206.248,148.75 206.248,151.248 207.498,152.498 207.498,152.5 D56.1@209.998,150 ; D31.12@287.498,30 288.748,31.25 v1(288.748,122.5)
DLAEN/: D9.7 D9.11 D12.2 D14.2 | length 367.2
  Top w0.254: D12.2@19.998,202.5 20,202.5 25,207.5 35,207.5 37.5,210 37.5,212.5 38.75,213.75 60,213.75 63.75,217.5 92.5,217.5 93.75,216.25 93.75,213.75 96.25,213.75 100,217.5 121.25,217.5 122.5,216.25 156.25,216.25 158.75,218.75 196.25,218.75 v1(197.498,217.5) v1(197.498,217.5) ; v1(206.248,305) 206.248,306.25 208.748,308.75 227.5,308.75 228.75,310 229.998,310 231.248,311.25 234.998,311.25 236.248,310 243.75,310 245,308.75 248.748,308.75 v1(249.998,310)
  Bottom w0.254: D14.2@192.498,187.5 193.748,188.75 193.748,208.75 197.498,212.5 v1(197.498,217.5) 197.498,235 199.998,237.5 199.998,277.5 203.748,281.25 203.748,286.25 204.998,287.5 204.998,290 206.248,291.25 v1(206.248,305) ; D9.11@247.498,312.5 v1(249.998,310)
DMAA0: D40.27 D46.2 D47.32 D48.14 | length 395.3
  Top w0.254: D48.14@94.998,202.5 105,202.5 106.25,201.25 108.75,201.25 111.25,203.75 121.25,203.75 123.75,201.25 133.75,201.25 136.25,203.75 141.25,203.75 145,207.5 150,207.5 151.25,206.25 160,206.25 161.018,205.232 168.518,205.232 171.25,202.5 v1(178.748,202.5)
  Bottom w0.254: v1(178.748,202.5) 178.748,207.5 179.998,208.75 179.998,220 173.748,226.25 173.748,308.75 176.248,311.25 201.248,311.25 203.748,313.75 203.748,321.25 208.748,326.25 234.998,326.25 235.506,326.758 241.99,326.758 242.498,326.25 242.498,310 243.748,308.75 243.748,306.25 246.248,303.75 248.748,303.75 249.998,302.5 249.998,280 D46.2@254.998,275 248.748,268.75 248.748,253.75 244.998,250 244.998,232.5 247.498,230 247.498,227.5 D47.32@249.998,225
DMAA1: D46.3 D47.33 D48.13 | length 396.4
  Top w0.254: D48.13@94.998,200 97.5,200 98.75,198.75 103.75,198.75 106.25,196.25 108.75,196.25 111.25,198.75 141.248,198.75 v1(142.498,200)
  Bottom w0.254: v1(142.498,200) 141.248,201.25 141.248,206.25 138.748,208.75 138.748,211.25 133.748,216.25 133.748,260 137.498,263.75 137.498,310 138.748,311.25 174.998,311.25 176.248,312.5 199.998,312.5 202.498,315 202.498,321.25 208.748,327.5 243.748,327.5 243.748,310 244.998,308.75 244.998,306.25 246.248,305 249.998,305 251.248,303.75 251.248,288.75 254.998,285 254.998,280 256.248,278.75 256.248,273.75 D46.3@254.998,272.5 249.49,266.992 249.49,253.218 245.74,249.468 245.74,237.29 246.248,236.782 246.248,232.476 248.006,230.718 248.006,229.492 D47.33@249.998,227.5
DMAA2: D46.4 D47.34 | length 45.2
  Bottom w0.254: D47.34@249.998,230 247.498,232.5 247.498,236.25 246.248,237.5 246.248,248.75 249.998,252.5 249.998,265 D46.4@254.998,270
DMAA3: D46.5 D47.35 | length 39.6
  Bottom w0.254: D47.35@249.998,232.5 248.748,233.75 248.748,236.25 246.99,238.008 246.99,248.242 250.74,251.992 250.74,263.242 D46.5@254.998,267.5
DMAA4: D46.6 D47.37 | length 31.6
  Bottom w0.254: D47.37@249.998,237.5 247.498,240 247.498,247.5 251.248,251.25 251.248,261.25 D46.6@254.998,265
DMAA5: D46.7 D47.38 | length 25.6
  Bottom w0.254: D47.38@249.998,240 248.748,241.25 248.748,247.5 252.498,251.25 252.498,260 D46.7@254.998,262.5
DMAA6: D46.8 D47.39 | length 22.1
  Bottom w0.254: D47.39@249.998,242.5 251.587,244.089 251.587,246.589 252.498,247.5 254.998,247.5 256.248,248.75 256.248,258.75 D46.8@254.998,260
DMAA7: D46.9 D47.40 | length 14.6
  Bottom w0.254: D47.40@249.998,245 250.19,245.192 250.19,247.692 253.748,251.25 253.748,256.25 D46.9@254.998,257.5
DMAAEN: D23.2 D46.1 D62.10 | length 389.8
  Top w0.254: v1(252.498,217.5) 252.498,212.5 D23.2@254.998,210 ; D46.1@254.998,277.5 v1(257.498,277.5) 258.748,276.25 266.248,276.25 267.498,277.5 279.998,277.5 282.498,275 292.498,275 297.498,270 297.498,168.75 291.248,162.5 291.248,151.25 297.498,145 297.498,55 296.248,53.75 296.248,33.75 289.998,27.5 289.998,25 288.748,23.75 278.748,23.75 277.498,25 D62.10@274.998,25
  Bottom w0.254: v1(252.498,217.5) 251.587,218.411 251.587,231.589 252.498,232.5 252.498,245 253.748,246.25 256.248,246.25 257.498,247.5 257.498,258.75 256.248,260 256.248,271.25 257.498,272.5 v1(257.498,277.5)
DMAAEN/: D14.3 D23.1 D48.11 D52.1 | length 286.6
  Top w0.254: D48.11@94.998,195 96.25,195 100,191.25 103.75,191.25 106.25,188.75 108.75,188.75 111.25,191.25 111.25,192.689 112.077,193.516 112.266,193.516 112.5,193.75 121.25,193.75 122.5,195 125,195 126.25,196.25 138.75,196.25 v1(140,195) ; v1(160,160) 161.123,158.877 163.877,158.877 165,160 175,160 176.544,161.544 178.456,161.544 180,160 v1(184.998,160) 185.994,159.004 199.998,159.004 199.998,160 201.669,161.671 205.827,161.671 209.256,158.242 221.756,158.242 222.498,157.5 v1(224.998,157.5) v1(244.998,157.5)
  Bottom w0.254: v1(140,195) 148.75,186.25 156.25,186.25 158.75,183.75 158.75,167.5 160,166.25 v1(160,160) ; v1(184.998,160) 184.998,172.5 189.998,177.5 189.998,182.5 D14.3@192.498,185 ; D52.1@224.998,150 v1(224.998,157.5) ; v1(244.998,157.5) 244.998,161.25 253.748,170 253.748,185.532 254.256,186.04 254.256,194.258 256.248,196.25 256.248,211.25 D23.1@254.998,212.5
DMAD16: D29.2 D48.10 D53.11 | length 77.4
  Top w0.254: v1(62.5,190) 65,190 66.25,191.25 70,191.25 72.5,188.75 76.25,188.75 78.75,191.25 83.75,191.25 86.25,188.75 88.75,188.75 91.25,191.25 93.75,191.25 D48.10@94.998,192.498 ; D48.10@94.998,192.5 95,192.5 98.75,188.75 103.75,188.75 105.742,186.758 109.258,186.758 112.5,190 D53.11@114.998,190
  Bottom w0.254: D29.2@59.998,205 61.248,203.75 61.248,195.002 62.5,193.75 v1(62.5,190)
DMAD17: D29.5 D48.9 D53.13 | length 81.5
  Top w0.254: v1(56.248,190) 57.498,188.75 68.748,188.75 71.248,186.25 76.248,186.25 78.748,188.75 83.748,188.75 84.998,187.5 92.498,187.5 D48.9@94.998,190 94.998,187.5 96.248,186.25 111.248,186.25 v1(112.498,187.5)
  Bottom w0.254: v1(56.248,190) 57.498,191.25 57.498,192.5 58.748,193.75 58.748,196.25 D29.5@59.998,197.5 ; v1(112.498,187.5) 113.748,188.75 113.748,193.75 D53.13@114.998,195
DMAD18: D29.6 D48.7 D53.15 | length 66.8
  Top w0.254: D29.6@59.998,195 61.248,193.75 68.748,193.75 71.248,191.25 76.248,191.25 78.748,193.75 86.248,193.75 D48.7@87.498,192.5 90,192.5 93.75,196.25 96.25,196.25 98.75,193.75 103.75,193.75 106.25,191.25 108.75,191.25 v1(112.5,195)
  Bottom w0.254: v1(112.5,195) 113.75,196.25 113.75,198.75 114.998,199.998 D53.15@114.998,200
DMAD19: D29.9 D48.6 D53.17 | length 86.6
  Top w0.254: D29.9@59.998,187.5 61.248,186.25 70.53,186.25 71.038,185.742 76.458,185.742 78.216,187.5 v1(82.498,187.5) 84.28,187.5 84.788,186.992 94.49,186.992 96.482,185 103.006,185 103.748,185.742 113.24,185.742 v1(114.998,187.5)
  Bottom w0.254: v1(82.498,187.5) 84.998,190 84.998,192.5 D48.6@87.498,195 ; v1(114.998,187.5) 116.248,188.75 116.248,203.75 D53.17@114.998,205
DMARDY: D3.8 D47.6 | length 83.2
  Top w0.254: D47.6@234.998,232.5 235.162,232.664 237.336,232.664 238.606,231.394 256.104,231.394 v1(257.498,230)
  Bottom w0.254: v1(257.498,230) 257.498,237.5 258.748,238.75 258.748,271.25 259.998,272.5 259.998,285 D3.8@262.498,287.5
DMAS/: D44.1 D47.11 | length 74.7
  Top w0.254: D44.1@227.498,282.5 227.7,282.702 v1(237.363,282.702)
  Bottom w0.254: D47.11@234.998,220 236.248,221.25 236.248,228.75 237.498,230 237.498,257.5 236.248,258.75 236.248,281.587 v1(237.363,282.702)
DRQ0: D35.5 D47.19 | length 49.1
  Top w0.254: D47.19@234.998,200 235.354,199.644 237.854,199.644 238.748,198.75 243.748,198.75 247.498,195 254.998,195 256.248,196.25 263.748,196.25 264.998,197.5 v1(267.498,197.5)
  Bottom w0.254: v1(267.498,197.5) 267.498,200 268.748,201.25 268.748,208.75 D35.5@269.998,210
DRQ1: D47.18 X7.49 X8.49 X9.49 X10.49 X11.49 X12.49 X13.49 X14.49 | length 318.4
  Top w0.254: X7.49@4.998,264.27 5.003,264.265 6.265,264.265 7.535,262.995 15.155,262.995 16.425,264.265 26.585,264.265 27.855,262.995 40.555,262.995 41.825,264.265 46.905,264.265 48.175,262.995 57.065,262.995 58.335,264.265 68.495,264.265 69.765,262.995 79.925,262.995 81.195,264.265 87.545,264.265 88.815,262.995 101.515,262.995 102.785,264.265 107.865,264.265 109.135,262.995 121.835,262.995 123.105,264.265 129.455,264.265 130.725,262.995 138.345,262.995 139.62,264.27 X14.49@147.238,264.27 ; v1@135,210 136.25,211.25 156.782,211.25 157.29,211.758 168.242,211.758 170,210 192.5,210 195,207.5 205,207.5 209.046,203.454 226.546,203.454 227.816,202.184 234.682,202.184 D47.18@234.998,202.5
  Bottom w0.254: X13.49@126.918,264.27 124.268,264.27 123.748,263.75 123.748,220.002 127.5,216.25 131.248,216.25 134.998,212.5 v1(134.998,210)
DRQ2: D47.17 X7.37 X8.37 X9.37 X10.37 X11.37 X12.37 X13.37 X14.37 | length 351.2
  Top w0.254: X7.37@4.998,294.75 6.261,294.75 7.535,293.475 15.155,293.475 16.43,294.75 X8.37@25.318,294.75 26.581,294.75 27.855,293.475 40.555,293.475 41.83,294.75 X9.37@45.638,294.75 46.901,294.75 48.175,293.475 55.795,293.475 57.07,294.75 X10.37@65.958,294.75 67.221,294.75 68.495,293.475 81.195,293.475 82.465,294.745 87.545,294.745 88.815,293.475 102.785,293.475 104.055,294.745 107.865,294.745 109.135,293.475 121.835,293.475 123.105,294.745 128.185,294.745 129.455,293.475 138.345,293.475 139.62,294.75 X14.37@147.238,294.75 ; v1(125,215) 127.498,215 128.748,213.75 140.343,213.75 141.359,212.734 156.669,212.734 157.685,213.75 194.998,213.75 199.998,208.75 206.248,208.75 209.004,205.994 229.006,205.994 230.276,204.724 234.722,204.724 D47.17@234.998,205
  Bottom w0.254: v1(125,215) 121.248,218.752 121.248,293.75 122.248,294.75 X13.37@126.918,294.75
DRQ3: D47.16 X7.47 X8.47 X9.47 X10.47 X11.47 X12.47 X13.47 X14.47 | length 322.4
  Top w0.254: X7.47@4.998,269.35 6.261,269.35 7.535,268.075 15.155,268.075 16.425,269.345 26.585,269.345 27.855,268.075 40.555,268.075 41.825,269.345 46.905,269.345 48.175,268.075 57.065,268.075 58.335,269.345 68.495,269.345 69.765,268.075 79.925,268.075 81.195,269.345 87.545,269.345 88.815,268.075 101.515,268.075 102.785,269.345 107.865,269.345 109.135,268.075 121.835,268.075 123.105,269.345 129.455,269.345 130.725,268.075 138.345,268.075 139.62,269.35 X14.47@147.238,269.35 ; v1(129.998,215) 139.811,215 141.569,213.242 156.458,213.242 158.216,215 194.998,215 199.998,210 207.498,210 208.964,208.534 231.466,208.534 232.736,207.264 234.762,207.264 D47.16@234.998,207.5
  Bottom w0.254: X13.47@126.918,269.35 123.098,269.35 122.498,268.75 122.498,220.002 127.5,215 v1(129.998,215)
DT/R: D11.5 D18.12 D26.1 D30.4 D41.1 | length 150.7
  Top w0.254: v1(43.748,172.5) 48.75,172.5 50.367,174.117 54.117,174.117 55,175 57.5,175 61.25,178.75 73.75,178.75 75,180 78.75,180 81.25,182.5 D26.1@84.998,182.5 88.75,182.5 90,181.25 93.748,181.25 96.248,178.75 102.5,178.75 105,181.25 112.498,181.25 113.748,182.5 D41.1@114.998,182.5 118.75,182.5 120,181.25 131.25,181.25 v1(132.5,182.5)
  Bottom w0.254: v1(43.748,172.5) 43.748,176.25 42.498,177.5 42.498,197.5 D30.4@44.998,200 ; D18.12@127.498,205 128.748,203.75 128.748,201.25 D11.5@129.998,200 130,200 131.25,198.75 131.25,192.5 132.5,191.25 v1(132.5,182.5)
EMS/: D55.9 D63.13 R28.2 | length 117.7
  Top w0.254: D63.13@262.498,32.5 265,32.5 266.25,33.75 281.25,33.75 v1(282.5,35)
  Bottom w0.254: v1(282.5,35) 282.5,65 283.75,66.25 283.75,68.75 282.5,70 282.5,97.5 283.75,98.75 283.75,103.75 281.25,106.25 281.25,116.25 R28.2@282.498,117.5 R28.2@282.498,117.5 282.498,125 D55.9@284.998,127.5
EMSS/: D44.16 D61.9 | length 305.4
  Top w0.254: D44.16@242.498,262.5 242.616,262.382 246.368,262.382 250,258.75 256.25,258.75 261.25,253.75 265,253.75 267.5,256.25 278.75,256.25 281.25,253.75 293.75,253.75 296.25,251.25 296.25,225.74 296.99,225 296.99,169.49 290,162.5 290,151.25 296.25,145 296.25,56.25 295,55 295,48.75 291.25,48.75 286.25,43.75 268.75,43.75 265,47.5 D61.9@262.498,47.5
ENKB: D23.5 D45.24 | length 38.5
  Top w0.254: D45.24@224.998,205 225.274,204.724 227.776,204.724 229.046,203.454 241.546,203.454 249.166,195.834 251.666,195.834 251.714,195.882 251.714,199.216 D23.5@254.998,202.5
GATE2: D45.18 D49.16 | length 47.6
  Top w0.254: D45.18@209.998,202.5 210.314,202.184 v1(221.234,202.184)
  Bottom w0.254: v1(221.234,202.184) 221.234,171.264 D49.16@224.998,167.5
GND: "POWER LED.2" "X5 (P8P9).5" "X5 (P8P9).6" "X5 (P8P9).7" "X5 (P8P9).8" BT1.2 C3.2 C4.2 C5.2 C6.2 C7.2 C8.2 C10.2 C11.2 C12.2 C13.2 C14.2 C15.2 C16.2 C17.2 C18.2 C19.2 C20.2 C21.2 C22.2 C23.2 C24.2 C25.2 C26.2 C27.2 C28.2 C29.2 C30.2 C31.2 C32.2 C33.2 C34.2 C35.2 C36.2 C37.2 C38.2 C39.2 C40.2 C41.2 C42.2 C43.2 C44.2 C45.2 C46.2 C47.2 C48.2 C49.2 C50.2 C51.2 C52.2 C53.2 C54.2 C55.2 C56.2 C57.2 C58.2 C59.2 C60.2 C61.2 C62.2 C63.2 C64.2 C65.2 C66.2 C67.2 C68.2 C69.2 C70.2 C71.2 C72.2 C73.2 C74.2 C75.2 C76.2 C77.2 C78.2 C79.2 C80.2 C81.2 C82.2 C83.2 C84.2 C85.2 C86.2 C87.2 C88.2 C89.2 C90.2 C91.2 C92.2 C93.2 C94.2 C95.2 C96.2 C97.2 C98.2 C99.2 C100.2 C101.2 C102.2 C103.2 C104.2 C105.2 C106.2 C107.2 C108.2 C109.2 C110.2 C111.2 C112.2 C113.2 C114.2 C115.2 C116.2 C117.2 C118.2 C119.2 C120.2 C121.2 C122.2 C123.2 C124.2 C125.2 C127.2 C128.2 C129.1 C130.2 C131.1 C132.2 C133.2 C134.2 D1.7 D2.7 D3.7 D4.7 D5.7 D6.7 D7.7 D7.8 D7.11 D8.8 D9.8 D10.7 D11.7 D12.1 D12.8 D12.13 D12.14 D12.15 D13.1 D13.6 D13.7 D13.9 D13.13 D14.7 D15.7 D16.7 D17.7 D18.7 D19.7 D20.8 D21.1 D21.20 D21.33 D22.1 D22.20 D23.7 D24.7 D25.10 D26.10 D27.10 D28.10 D29.10 D30.1 D30.10 D31.7 D32.8 D32.13 D32.14 D33.10 D34.7 D35.7 D36.7 D37.7 D38.10 D38.19 D39.6 D39.7 D39.10 D40.14 D41.10 D42.7 D43.10 D44.12 D45.7 D46.10 D46.19 D47.20 D48.8 D49.12 D50.7 D51.2 D51.10 D51.19 D52.10 D53.1 D53.10 D53.19 D54.12 D55.1 D55.8 D55.13 D55.14 D55.15 D56.10 D57.10 D58.10 D59.14 D59.20 D60.14 D60.20 D61.7 D62.7 D63.7 D64.7 D65.7 D66.8 D67.10 D67.15 D67.17 D68.8 D69.8 D70.8 D70.9 D70.15 D70.16 D71.8 D71.9 D71.15 D71.16 D72.1 D72.10 D72.19 D73.8 D73.15 D74.8 D74.15 D75.1 D75.8 D75.15 D76.5 D76.8 D77.10 DS1.16 DS2.16 DS3.16 DS4.16 DS5.16 DS6.16 DS7.16 DS8.16 DS9.16 DS10.16 DS11.16 DS12.16 DS13.16 DS14.16 DS15.16 DS16.16 DS17.16 DS18.16 DS19.16 DS20.16 DS21.16 DS22.16 DS23.16 DS24.16 DS25.16 DS26.16 DS27.16 DS28.16 DS29.16 DS30.16 DS31.16 DS32.16 DS33.16 DS34.16 DS35.16 DS36.16 DS37.16 DS38.16 DS39.16 DS40.16 DS41.16 DS42.16 DS43.16 DS44.16 DS45.16 DS46.16 DS47.16 DS48.16 DS49.16 DS50.16 DS51.16 DS52.16 DS53.16 DS54.16 DS55.16 DS56.16 DS57.16 DS58.16 DS59.16 DS60.16 DS61.16 DS62.16 DS63.16 DS64.16 pad.@97.5,322.5 R5.2 R6.1 R9.1 R21.2 VT2.E X1(RESET).1 X4.4 X7.32 X7.41 X7.62 X8.32 X8.41 X8.62 X9.32 X9.41 X9.62 X10.32 X10.41 X10.62 X11.32 X11.41 X11.62 X12.32 X12.41 X12.62 X13.32 X13.41 X13.62 X14.32 X14.41 X14.62 | length 0
HLDA: D5.5 D9.4 D47.7 | length 118.7
  Top w0.254: D5.5@209.998,292.5 213.748,292.5 214.998,291.25 221.248,291.25 222.498,292.5 v1(234.998,292.5)
  Bottom w0.254: D47.7@234.998,230 236.248,231.25 236.248,251.25 233.748,253.75 233.748,283.75 236.248,286.25 236.248,291.25 v1(234.998,292.5) 236.248,293.75 236.248,313.75 D9.4@239.998,317.5
HRDY: D3.1 D14.8 | length 190.5
  Top w0.254: D14.8@199.998,175 206.248,168.75 220,168.75 222.634,166.116 230.505,166.116 234.389,170 v1(237.5,170) ; v1(242.5,300) 243.75,301.25 250,301.25 251.25,302.5 D3.1@254.998,302.5
  Bottom w0.254: v1(237.5,170) 236.25,171.25 236.25,218.75 237.5,220 237.5,227.5 238.75,228.75 238.75,268.75 237.5,270 237.5,280 242.5,285 v1(242.5,300)
HRQ: D2.13 D5.1 D47.10 | length 331.2
  Top w0.254: v1(37.498,217.5) 38.748,216.25 58.748,216.25 62.092,219.594 122.094,219.594 127.5,225 204.998,225 206.248,223.75 226.25,223.75 227.5,222.5 D47.10@234.998,222.5 ; D5.1@209.998,302.5 v1(215,302.5)
  Bottom w0.254: D2.13@32.498,180 31.248,181.25 31.248,183.75 33.748,186.25 33.748,208.75 37.498,212.5 v1(37.498,217.5) ; v1(215,302.5) 212.5,300 212.5,282.5 213.75,281.25 213.75,264.466 214.256,263.96 214.256,253.244 217.5,250 217.5,242.5 218.75,241.25 218.75,236.25 217.5,235 v1(217.5,223.75)
"I/O CH CK": X7.1 X8.1 X9.1 X10.1 X11.1 X12.1 X13.1 X14.1 | length 150.7
  Top w0.254: X7.1@10.078,307.45 16.43,307.45 17.695,308.715 26.585,308.715 27.855,307.445 32.935,307.445 34.205,306.175 39.285,306.175 41.825,308.715 46.905,308.715 48.175,307.445 57.065,307.445 58.335,308.715 68.495,308.715 69.765,307.445 83.735,307.445 85.005,308.715 88.815,308.715 90.085,307.445 104.055,307.445 105.325,308.715 109.135,308.715 110.405,307.445 124.375,307.445 125.645,308.715 129.455,308.715 130.725,307.445 144.695,307.445 145.965,308.715 149.775,308.715 151.045,307.445 X14.1@152.313,307.445
"I/O CH RDY": D1.2 D3.2 R36.1 X7.10 X8.10 X9.10 X10.10 X11.10 X12.10 X13.10 X14.10 | length 272.2
  Top w0.254: X7.10@10.078,284.59 15.151,284.59 16.416,285.855 26.585,285.855 27.855,284.585 34.205,284.585 35.475,285.855 46.905,285.855 48.175,284.585 55.795,284.585 57.065,285.855 67.225,285.855 68.495,284.585 81.195,284.585 82.465,285.855 87.545,285.855 88.815,284.585 102.785,284.585 104.055,285.855 109.135,285.855 110.405,284.585 X12.10@111.673,284.585 ; X12.10@111.678,284.59 123.11,284.59 124.375,285.855 129.455,285.855 130.721,284.59 X13.10@131.998,284.59 139.611,284.59 140.876,285.855 149.775,285.855 151.045,284.585 X14.10@152.313,284.585 ; X14.10@152.318,284.59 157.09,284.59 157.5,285 157.5,290 162.5,295 189.364,295 189.385,295.021 190.611,295.021 190.632,295 191.25,295 192.5,296.25 206.25,296.25 208.75,298.75 218.75,298.75 220,300 D1.2@239.998,300 241.248,298.75 250,298.75 251.25,300 D3.2@254.998,300
  Bottom w0.254: R36.1@252.498,307.5 256.248,303.75 256.248,301.25 D3.2@254.998,300
INTA/: D2.1 D14.4 D17.4 D30.14 D40.26 DR3.9 | length 288.1
  Top w0.254: D17.4@17.498,155 4.998,155 3.748,156.25 3.748,176.25 4.998,177.5 12.498,177.5 17.498,182.5 D2.1@24.998,182.5 25,182.5 28.75,186.25 33.75,186.25 36.25,188.75 46.25,188.75 50,192.5 D30.14@52.498,192.5 ; DR3.9@59.998,212.5 63.748,216.25 92.5,216.25 93.242,215.508 93.242,213.54 93.54,213.242 96.46,213.242 100.21,216.992 120.508,216.992 v1(125,212.5) ; v1(135,200) 136.25,201.25 141.25,201.25 146.25,206.25 148.75,206.25 151.25,203.75 160,203.75 161.058,202.692 167.894,202.692 169.998,200.588 169.998,198.75 171.248,197.5 v1(194.998,197.5)
  Bottom w0.254: D30.14@52.498,192.5 53.748,193.75 53.748,197.5 55,198.752 55,201.25 57.5,203.75 57.5,206.25 58.75,207.5 58.75,210.004 59.998,211.252 DR3.9@59.998,212.5 ; v1(125,212.5) 130,212.5 132.5,210 132.5,207.5 135,205 v1(135,200) ; D14.4@192.498,182.5 194.998,185 v1(194.998,197.5)
INTR: D21.18 D40.17 | length 183.3
  Top w0.254: v1(39.998,175) 40,175 41.25,173.75 48.75,173.75 52.5,177.5 57.5,177.5 60,180 72.5,180 73.75,181.25 78.75,181.25 81.25,183.75 93.75,183.75 96.25,181.25 102.5,181.25 105.742,184.492 118.008,184.492 118.75,183.75 130.041,183.75 130.912,184.621 130.912,184.662 131.25,185 135,185 136.25,186.25 148.75,186.25 151.358,183.642 157.608,183.642 161.25,180 D40.17@167.498,180
  Bottom w0.254: D21.18@37.498,132.5 37.885,132.5 39.998,134.613 39.998,145 41.248,146.25 41.248,153.75 39.998,155 v1(39.998,175)
IOCOM/: D4.13 D34.6 D42.9 D42.12 | length 203.3
  Top w0.254: D4.13@232.498,320 237.5,320 238.75,318.75 248.75,318.75 v1(250,317.5) ; D42.12@239.998,182.5 241.248,182.5 244.998,186.25 262.498,186.25 262.498,190 v1(264.998,192.5) ; D34.6@269.998,232.5 v1(272.5,232.5)
  Bottom w0.254: D42.9@239.998,175 238.748,176.25 238.748,181.25 D42.12@239.998,182.5 ; v1(250,317.5) 252.5,320 271.25,301.25 271.25,273.75 272.5,272.5 272.5,248.75 271.25,247.5 271.25,235 272.5,233.75 v1(272.5,232.5) ; v1(264.998,192.5) 266.248,193.75 266.248,201.25 268.24,203.242 268.24,208.96 268.748,209.468 268.748,231.25 D34.6@269.998,232.5
IOR/: D53.18 X7.45 X8.45 X9.45 X10.45 X11.45 X12.45 X13.45 X14.45 | length 221.3
  Top w0.254: X7.45@4.998,274.43 6.261,274.43 7.535,273.155 15.155,273.155 16.425,274.425 26.585,274.425 27.855,273.155 40.555,273.155 41.825,274.425 46.905,274.425 48.175,273.155 57.065,273.155 58.335,274.425 68.495,274.425 69.765,273.155 79.925,273.155 81.195,274.425 87.545,274.425 88.815,273.155 101.515,273.155 102.785,274.425 107.865,274.425 109.135,273.155 121.835,273.155 123.105,274.425 129.455,274.425 130.725,273.155 138.345,273.155 139.615,274.425 X14.45@147.243,274.425
  Bottom w0.254: X12.45@106.598,274.43 105,272.832 105,227.5 113.75,218.75 113.75,213.752 113.748,213.75 113.748,208.75 D53.18@114.998,207.5